# EAGLE board Mk4 Final Panel 8up 2x4 (EAGLE 9.0.1), part 17 of 23 (continued)
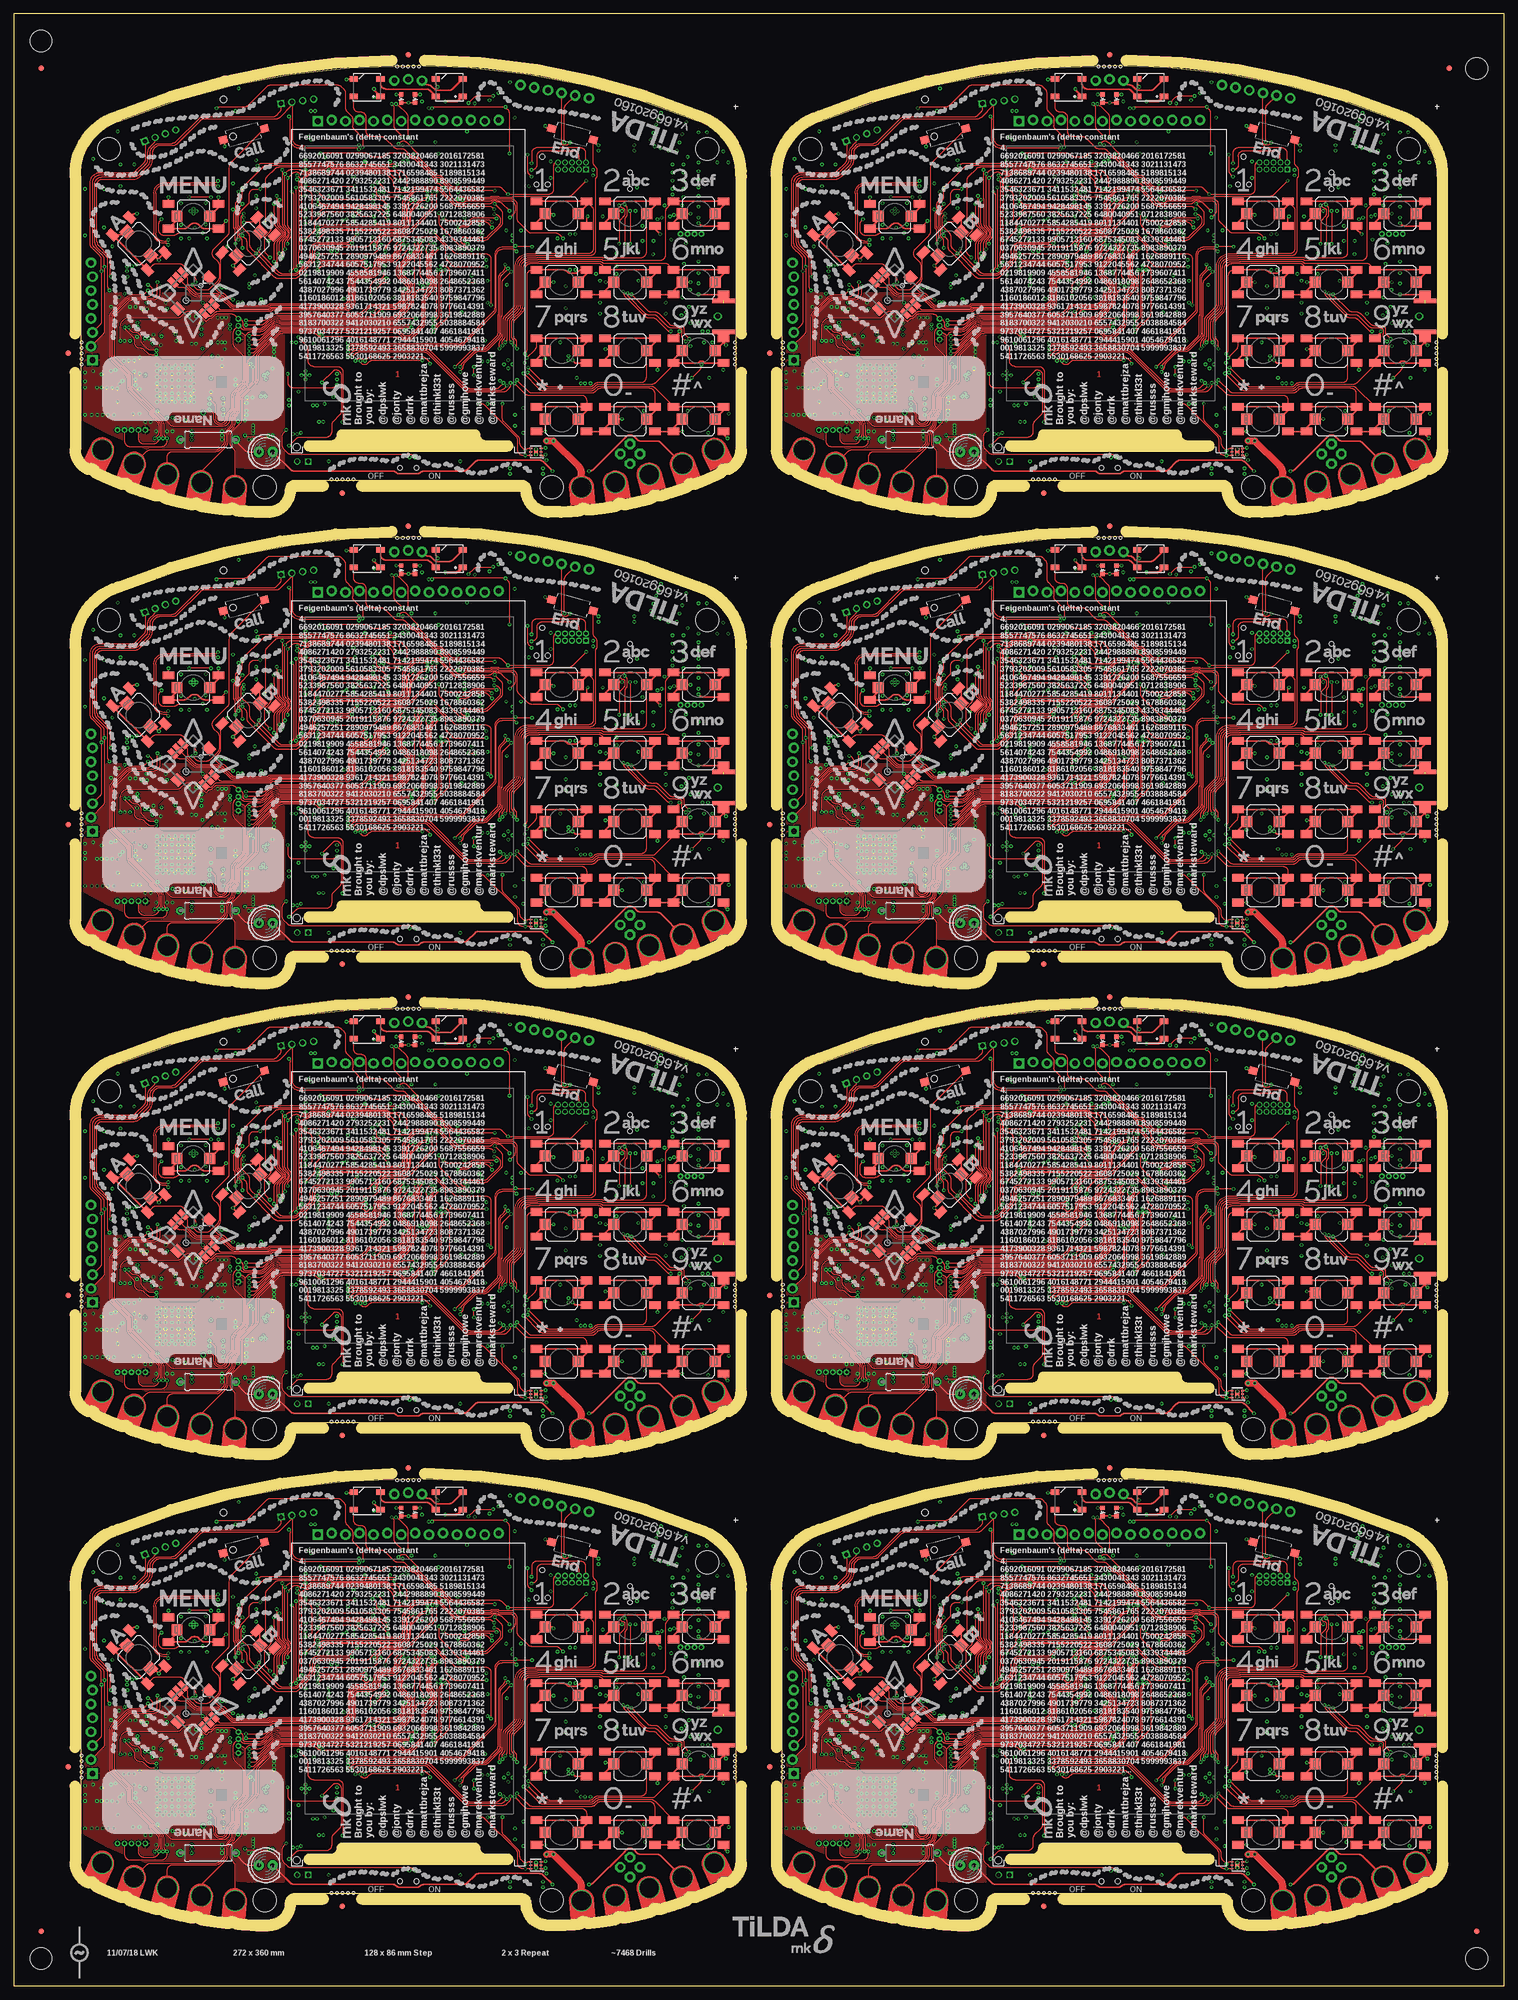
[diagram p0: board, top side]
## Tracks (layer width: path | path; a pad name or v marks a point on that pad's centre or on a via) (continued)
  Bottom 0.15: IC127.48 170.55,328.3 170.5,328.25 v169.75,328.25 | IC127.36 170.55,318.7 170.5,318.75 v169,318.75 | v197.47,331.97 197.8,331.64 IC128.75
SDRAM_A103  (via drill 0.3)
  Top 0.15: v169,327.5 169,326.41 arc-45 168.71,325.71 arc45 168.5,325.21 168.5,324.49 168.53,324.47 168.53,324.1 arc-45 168.47,323.98 168.47,323.97 168.35,323.84 arc45 168.2,323.49 168.2,320.91 arc45 168.27,320.73 168.4,320.6 arc-45 168.47,320.42 168.47,318.53 168.5,318.51 v168.5,318 | v181.25,318.75 182.68,320.18 arc45 182.97,320.89 182.97,321.71 arc-45 183.27,322.42 184.46,323.61 arc-45 185.16,323.9 189.94,323.9 arc-45 190.64,323.61 190.96,323.29 arc45 191.66,323 v193.75,323
  Bottom 0.15: IC127.47 v169,327.5 | v168.5,318 170.42,318 arc-45 170.56,317.94 170.6,317.9 IC127.35 176.49,317.9 arc45 177.19,318.19 177.46,318.46 arc-45 178.16,318.75 v181.25,318.75 | IC128.49 193.27,323.2 arc-45 v193.75,323
SDRAM_BA0  (via drill 0.3)
  Top 0.15: v50,60 50,60.38 arc-45 50.15,60.73 50.29,60.88 arc90 50.29,62.87 arc-45 50,63.57 v50,72 50.73,72.73 arc-45 51.44,73.03 51.76,73.03 arc-45 52.11,72.88 52.17,72.82 arc45 52.52,72.67 53.39,72.67 arc45 53.74,72.82 53.92,73.01 arc-45 54.63,73.3 56.96,73.3 57.15,73.11 arc90 57.85,73.11 58.02,73.28 67.69,73.28 arc-45 68.05,73.13 68.25,72.93 arc45 68.45,72.84 arc-45 68.8,72.7 v70,71.5
  Bottom 0.15: IC2.50 49.9,71.9 v50,72 | IC2.20 53.91,59.9 arc-45 53.81,59.94 arc45 53.67,60 v50,60 | v70,71.5 arc45 70.2,71.98 IC1.76
SDRAM_BA1  (via drill 0.3)
  Top 0.15: v49.5,59 49.48,59.02 49.48,60.07 arc-45 49.77,60.78 49.98,60.99 arc90 49.98,62.76 49.77,62.97 arc-45 49.48,63.67 49.48,72.72 v49.5,72.75 49.96,73.21 arc-45 50.66,73.5 52.09,73.5 arc-45 52.8,73.21 52.88,73.13 arc90 53.62,73.13 53.8,73.31 arc-45 54.51,73.6 56.86,73.6 57.15,73.89 arc-90 57.85,73.89 58.17,73.58 67.82,73.58 arc-45 68.17,73.43 68.31,73.29 arc45 68.66,73.15 69.5,73.15 arc-90 70.5,72.15 70.5,72.1 arc45 v70.75,71.5
  Bottom 0.15: v49.5,59 54.28,59 IC2.21 | v49.5,72.75 49.45,72.7 IC2.51 | v70.75,71.5 arc-45 70.6,71.86 IC1.77
SDRAM_BA2  (via drill 0.3)
  Top 0.15: v177.5,59 177.47,59.02 177.47,60.07 arc-45 177.77,60.78 177.98,60.99 arc90 177.98,62.76 177.77,62.97 arc-45 177.47,63.67 177.47,72.72 v177.5,72.75 177.96,73.21 arc-45 178.66,73.5 180.09,73.5 arc-45 180.8,73.21 180.88,73.13 arc90 181.62,73.13 181.8,73.31 arc-45 182.51,73.6 184.86,73.6 185.15,73.89 arc-90 185.85,73.89 186.17,73.58 195.82,73.58 arc-45 196.17,73.43 196.31,73.29 arc45 196.66,73.15 197.5,73.15 arc-90 198.5,72.15 198.5,72.1 arc45 v198.75,71.5
  Bottom 0.15: v177.5,59 182.28,59 IC19.21 | v177.5,72.75 177.45,72.7 IC19.51 | v198.75,71.5 arc-45 198.6,71.86 IC20.77
SDRAM_BA3  (via drill 0.3)
  Top 0.15: v178,60 178,60.38 arc-45 178.15,60.73 178.29,60.88 arc90 178.29,62.87 arc-45 178,63.57 v178,72 178.73,72.73 arc-45 179.44,73.03 179.76,73.03 arc-45 180.11,72.88 180.17,72.82 arc45 180.53,72.67 181.38,72.67 arc45 181.74,72.82 181.92,73.01 arc-45 182.63,73.3 184.96,73.3 185.15,73.11 arc90 185.85,73.11 186.02,73.28 195.69,73.28 arc-45 196.05,73.13 196.25,72.93 arc45 196.45,72.84 arc-45 196.8,72.7 v198,71.5
  Bottom 0.15: IC19.50 177.9,71.9 v178,72 | IC19.20 181.91,59.9 arc-45 181.81,59.94 arc45 181.67,60 v178,60 | v198,71.5 arc45 198.2,71.98 IC20.76
SDRAM_BA4  (via drill 0.3)
  Top 0.15: v49.5,145 49.48,145.03 49.48,146.07 arc-45 49.77,146.78 49.98,146.99 arc90 49.98,148.76 49.77,148.97 arc-45 49.48,149.67 49.48,158.72 v49.5,158.75 49.96,159.21 arc-45 50.66,159.5 52.09,159.5 arc-45 52.8,159.21 52.88,159.13 arc90 53.62,159.13 53.8,159.31 arc-45 54.51,159.6 56.86,159.6 57.15,159.89 arc-90 57.85,159.89 58.17,159.57 67.82,159.57 arc-45 68.17,159.43 68.31,159.29 arc45 68.66,159.15 69.5,159.15 arc-90 70.5,158.15 70.5,158.1 arc45 v70.75,157.5
  Bottom 0.15: v49.5,145 54.28,145 IC37.21 | v49.5,158.75 49.45,158.7 IC37.51 | v70.75,157.5 arc-45 70.6,157.86 IC38.77
SDRAM_BA5  (via drill 0.3)
  Top 0.15: v50,146 50,146.38 arc-45 50.15,146.74 50.29,146.88 arc90 50.29,148.87 arc-45 50,149.57 v50,158 50.73,158.73 arc-45 51.44,159.03 51.76,159.03 arc-45 52.11,158.88 52.17,158.82 arc45 52.52,158.68 53.39,158.68 arc45 53.74,158.82 53.92,159.01 arc-45 54.63,159.3 56.96,159.3 57.15,159.11 arc90 57.85,159.11 58.02,159.28 67.69,159.28 arc-45 68.05,159.13 68.25,158.93 arc45 68.45,158.84 arc-45 68.8,158.7 v70,157.5
  Bottom 0.15: IC37.50 49.9,157.9 v50,158 | IC37.20 53.91,145.9 arc-45 53.81,145.94 arc45 53.67,146 v50,146 | v70,157.5 arc45 70.2,157.98 IC38.76
SDRAM_BA6  (via drill 0.3)
  Top 0.15: v177.5,145 177.47,145.03 177.47,146.07 arc-45 177.77,146.78 177.98,146.99 arc90 177.98,148.76 177.77,148.97 arc-45 177.47,149.67 177.47,158.72 v177.5,158.75 177.96,159.21 arc-45 178.66,159.5 180.09,159.5 arc-45 180.8,159.21 180.88,159.13 arc90 181.62,159.13 181.8,159.31 arc-45 182.51,159.6 184.86,159.6 185.15,159.89 arc-90 185.85,159.89 186.17,159.57 195.82,159.57 arc-45 196.17,159.43 196.31,159.29 arc45 196.66,159.15 197.5,159.15 arc-90 198.5,158.15 198.5,158.1 arc45 v198.75,157.5
  Bottom 0.15: v177.5,145 182.28,145 IC55.21 | v177.5,158.75 177.45,158.7 IC55.51 | v198.75,157.5 arc-45 198.6,157.86 IC56.77
SDRAM_BA7  (via drill 0.3)
  Top 0.15: v178,146 178,146.38 arc-45 178.15,146.74 178.29,146.88 arc90 178.29,148.87 arc-45 178,149.57 v178,158 178.73,158.73 arc-45 179.44,159.03 179.76,159.03 arc-45 180.11,158.88 180.17,158.82 arc45 180.53,158.68 181.38,158.68 arc45 181.74,158.82 181.92,159.01 arc-45 182.63,159.3 184.96,159.3 185.15,159.11 arc90 185.85,159.11 186.02,159.28 195.69,159.28 arc-45 196.05,159.13 196.25,158.93 arc45 196.45,158.84 arc-45 196.8,158.7 v198,157.5
  Bottom 0.15: IC55.50 177.9,157.9 v178,158 | IC55.20 181.91,145.9 arc-45 181.81,145.94 arc45 181.67,146 v178,146 | v198,157.5 arc45 198.2,157.98 IC56.76
SDRAM_BA8  (via drill 0.3)
  Top 0.15: v49.5,231 49.48,231.03 49.48,232.07 arc-45 49.77,232.78 49.98,232.99 arc90 49.98,234.76 49.77,234.97 arc-45 49.48,235.67 49.48,244.72 v49.5,244.75 49.96,245.21 arc-45 50.66,245.5 52.09,245.5 arc-45 52.8,245.21 52.88,245.13 arc90 53.62,245.13 53.8,245.31 arc-45 54.51,245.6 56.86,245.6 57.15,245.89 arc-90 57.85,245.89 58.17,245.57 67.82,245.57 arc-45 68.17,245.43 68.31,245.29 arc45 68.66,245.15 69.5,245.15 arc-90 70.5,244.15 70.5,244.1 arc45 v70.75,243.5
  Bottom 0.15: v49.5,231 54.28,231 IC73.21 | v49.5,244.75 49.45,244.7 IC73.51 | v70.75,243.5 arc-45 70.6,243.86 IC74.77
SDRAM_BA9  (via drill 0.3)
  Top 0.15: v50,232 50,232.38 arc-45 50.15,232.74 50.29,232.88 arc90 50.29,234.87 arc-45 50,235.57 v50,244 50.73,244.73 arc-45 51.44,245.03 51.76,245.03 arc-45 52.11,244.88 52.17,244.82 arc45 52.52,244.68 53.39,244.68 arc45 53.74,244.82 53.92,245.01 arc-45 54.63,245.3 56.96,245.3 57.15,245.11 arc90 57.85,245.11 58.02,245.28 67.69,245.28 arc-45 68.05,245.13 68.25,244.93 arc45 68.45,244.84 arc-45 68.8,244.7 v70,243.5
  Bottom 0.15: IC73.50 49.9,243.9 v50,244 | IC73.20 53.91,231.9 arc-45 53.81,231.94 arc45 53.67,232 v50,232 | v70,243.5 arc45 70.2,243.98 IC74.76
SDRAM_BA10  (via drill 0.3)
  Top 0.15: v177.5,231 177.47,231.03 177.47,232.07 arc-45 177.77,232.78 177.98,232.99 arc90 177.98,234.76 177.77,234.97 arc-45 177.47,235.67 177.47,244.72 v177.5,244.75 177.96,245.21 arc-45 178.66,245.5 180.09,245.5 arc-45 180.8,245.21 180.88,245.13 arc90 181.62,245.13 181.8,245.31 arc-45 182.51,245.6 184.86,245.6 185.15,245.89 arc-90 185.85,245.89 186.17,245.57 195.82,245.57 arc-45 196.17,245.43 196.31,245.29 arc45 196.66,245.15 197.5,245.15 arc-90 198.5,244.15 198.5,244.1 arc45 v198.75,243.5
  Bottom 0.15: v177.5,231 182.28,231 IC91.21 | v177.5,244.75 177.45,244.7 IC91.51 | v198.75,243.5 arc-45 198.6,243.86 IC92.77
SDRAM_BA11  (via drill 0.3)
  Top 0.15: v178,232 178,232.38 arc-45 178.15,232.74 178.29,232.88 arc90 178.29,234.87 arc-45 178,235.57 v178,244 178.73,244.73 arc-45 179.44,245.03 179.76,245.03 arc-45 180.11,244.88 180.17,244.82 arc45 180.53,244.68 181.38,244.68 arc45 181.74,244.82 181.92,245.01 arc-45 182.63,245.3 184.96,245.3 185.15,245.11 arc90 185.85,245.11 186.02,245.28 195.69,245.28 arc-45 196.05,245.13 196.25,244.93 arc45 196.45,244.84 arc-45 196.8,244.7 v198,243.5
  Bottom 0.15: IC91.50 177.9,243.9 v178,244 | IC91.20 181.91,231.9 arc-45 181.81,231.94 arc45 181.67,232 v178,232 | v198,243.5 arc45 198.2,243.98 IC92.76
SDRAM_BA12  (via drill 0.3)
  Top 0.15: v49.5,317 49.48,317.02 49.48,318.07 arc-45 49.77,318.78 49.98,318.99 arc90 49.98,320.76 49.77,320.97 arc-45 49.48,321.67 49.48,330.73 v49.5,330.75 49.96,331.21 arc-45 50.66,331.5 52.09,331.5 arc-45 52.8,331.21 52.88,331.13 arc90 53.62,331.13 53.8,331.31 arc-45 54.51,331.6 56.86,331.6 57.15,331.89 arc-90 57.85,331.89 58.17,331.57 67.82,331.57 arc-45 68.17,331.43 68.31,331.29 arc45 68.66,331.14 69.5,331.14 arc-90 70.5,330.14 70.5,330.1 arc45 v70.75,329.5
  Bottom 0.15: v49.5,317 54.28,317 IC109.21 | v49.5,330.75 49.45,330.7 IC109.51 | v70.75,329.5 arc-45 70.6,329.86 IC110.77
SDRAM_BA13  (via drill 0.3)
  Top 0.15: v50,318 50,318.38 arc-45 50.15,318.74 50.29,318.88 arc90 50.29,320.87 arc-45 50,321.57 v50,330 50.73,330.73 arc-45 51.44,331.02 51.76,331.02 arc-45 52.11,330.88 52.17,330.82 arc45 52.52,330.68 53.39,330.68 arc45 53.74,330.82 53.92,331.01 arc-45 54.63,331.3 56.96,331.3 57.15,331.11 arc90 57.85,331.11 58.02,331.27 67.69,331.27 arc-45 68.05,331.13 68.25,330.93 arc45 68.45,330.85 arc-45 68.8,330.7 v70,329.5
  Bottom 0.15: IC109.50 49.9,329.9 v50,330 | IC109.20 53.91,317.9 arc-45 53.81,317.94 arc45 53.67,318 v50,318 | v70,329.5 arc45 70.2,329.98 IC110.76
SDRAM_BA14  (via drill 0.3)
  Top 0.15: v177.5,317 177.47,317.02 177.47,318.07 arc-45 177.77,318.78 177.98,318.99 arc90 177.98,320.76 177.77,320.97 arc-45 177.47,321.67 177.47,330.73 v177.5,330.75 177.96,331.21 arc-45 178.66,331.5 180.09,331.5 arc-45 180.8,331.21 180.88,331.13 arc90 181.62,331.13 181.8,331.31 arc-45 182.51,331.6 184.86,331.6 185.15,331.89 arc-90 185.85,331.89 186.17,331.57 195.82,331.57 arc-45 196.17,331.43 196.31,331.29 arc45 196.66,331.14 197.5,331.14 arc-90 198.5,330.14 198.5,330.1 arc45 v198.75,329.5
  Bottom 0.15: v177.5,317 182.28,317 IC127.21 | v177.5,330.75 177.45,330.7 IC127.51 | v198.75,329.5 arc-45 198.6,329.86 IC128.77
SDRAM_BA15  (via drill 0.3)
  Top 0.15: v178,318 178,318.38 arc-45 178.15,318.74 178.29,318.88 arc90 178.29,320.87 arc-45 178,321.57 v178,330 178.73,330.73 arc-45 179.44,331.02 179.76,331.02 arc-45 180.11,330.88 180.17,330.82 arc45 180.53,330.68 181.38,330.68 arc45 181.74,330.82 181.92,331.01 arc-45 182.63,331.3 184.96,331.3 185.15,331.11 arc90 185.85,331.11 186.02,331.27 195.69,331.27 arc-45 196.05,331.13 196.25,330.93 arc45 196.45,330.85 arc-45 196.8,330.7 v198,329.5
  Bottom 0.15: IC127.50 177.9,329.9 v178,330 | IC127.20 181.91,317.9 arc-45 181.81,317.94 arc45 181.67,318 v178,318 | v198,329.5 arc45 198.2,329.98 IC128.76
SDRAM_CKE  (via drill 0.3)
  Top 0.15: v41.75,61.5 42.21,61.04 arc-45 42.5,60.34 42.5,59.41 arc45 42.79,58.71 47.48,54.02 arc45 48.19,53.73 51.29,53.73 arc45 51.99,54.02 54.68,56.71 arc45 54.98,57.41 54.98,58.5 arc-90 55.98,59.5 64.29,59.5 arc45 65,59.79 66.87,61.66 arc-45 67.93,62.1 70.25,62.1 arc90 72.5,64.35 72.5,65.49 arc-45 72.79,66.19 74.31,67.71 arc-45 75.01,68 v75.5,68
  Bottom 0.15: IC1.104 78.73,68.4 arc45 78.59,68.34 78.53,68.28 arc-45 78.39,68.22 75.75,68.22 75.53,68 v75.5,68 | v41.75,61.5 IC2.37
SDRAM_CKE1  (via drill 0.3)
  Top 0.15: v169.75,61.5 170.21,61.04 arc-45 170.5,60.34 170.5,59.41 arc45 170.79,58.71 175.48,54.02 arc45 176.19,53.73 179.29,53.73 arc45 179.99,54.02 182.68,56.71 arc45 182.97,57.41 182.97,58.5 arc-90 183.97,59.5 192.29,59.5 arc45 193,59.79 194.87,61.66 arc-45 195.93,62.1 198.25,62.1 arc90 200.5,64.35 200.5,65.49 arc-45 200.79,66.19 202.31,67.71 arc-45 203.01,68 v203.5,68
  Bottom 0.15: IC20.104 206.73,68.4 arc45 206.59,68.34 206.53,68.28 arc-45 206.39,68.22 203.75,68.22 203.53,68 v203.5,68 | v169.75,61.5 IC19.37
SDRAM_CKE2  (via drill 0.3)
  Top 0.15: v41.75,147.5 42.21,147.04 arc-45 42.5,146.34 42.5,145.41 arc45 42.79,144.71 47.48,140.02 arc45 48.19,139.72 51.29,139.72 arc45 51.99,140.02 54.68,142.71 arc45 54.98,143.41 54.98,144.5 arc-90 55.98,145.5 64.29,145.5 arc45 65,145.79 66.87,147.66 arc-45 67.93,148.1 70.25,148.1 arc90 72.5,150.35 72.5,151.49 arc-45 72.79,152.19 74.31,153.71 arc-45 75.01,154 v75.5,154
  Bottom 0.15: IC38.104 78.73,154.4 arc45 78.59,154.34 78.53,154.28 arc-45 78.39,154.22 75.75,154.22 75.53,154 v75.5,154 | v41.75,147.5 IC37.37
SDRAM_CKE3  (via drill 0.3)
  Top 0.15: v169.75,147.5 170.21,147.04 arc-45 170.5,146.34 170.5,145.41 arc45 170.79,144.71 175.48,140.02 arc45 176.19,139.72 179.29,139.72 arc45 179.99,140.02 182.68,142.71 arc45 182.97,143.41 182.97,144.5 arc-90 183.97,145.5 192.29,145.5 arc45 193,145.79 194.87,147.66 arc-45 195.93,148.1 198.25,148.1 arc90 200.5,150.35 200.5,151.49 arc-45 200.79,152.19 202.31,153.71 arc-45 203.01,154 v203.5,154
  Bottom 0.15: IC56.104 206.73,154.4 arc45 206.59,154.34 206.53,154.28 arc-45 206.39,154.22 203.75,154.22 203.53,154 v203.5,154 | v169.75,147.5 IC55.37
SDRAM_CKE4  (via drill 0.3)
  Top 0.15: v41.75,233.5 42.21,233.04 arc-45 42.5,232.34 42.5,231.41 arc45 42.79,230.71 47.48,226.02 arc45 48.19,225.72 51.29,225.72 arc45 51.99,226.02 54.68,228.71 arc45 54.98,229.41 54.98,230.5 arc-90 55.98,231.5 64.29,231.5 arc45 65,231.79 66.87,233.66 arc-45 67.93,234.1 70.25,234.1 arc90 72.5,236.35 72.5,237.49 arc-45 72.79,238.19 74.31,239.71 arc-45 75.01,240 v75.5,240
  Bottom 0.15: IC74.104 78.73,240.4 arc45 78.59,240.34 78.53,240.28 arc-45 78.39,240.22 75.75,240.22 75.53,240 v75.5,240 | v41.75,233.5 IC73.37
SDRAM_CKE5  (via drill 0.3)
  Top 0.15: v169.75,233.5 170.21,233.04 arc-45 170.5,232.34 170.5,231.41 arc45 170.79,230.71 175.48,226.02 arc45 176.19,225.72 179.29,225.72 arc45 179.99,226.02 182.68,228.71 arc45 182.97,229.41 182.97,230.5 arc-90 183.97,231.5 192.29,231.5 arc45 193,231.79 194.87,233.66 arc-45 195.93,234.1 198.25,234.1 arc90 200.5,236.35 200.5,237.49 arc-45 200.79,238.19 202.31,239.71 arc-45 203.01,240 v203.5,240
  Bottom 0.15: IC92.104 206.73,240.4 arc45 206.59,240.34 206.53,240.28 arc-45 206.39,240.22 203.75,240.22 203.53,240 v203.5,240 | v169.75,233.5 IC91.37
SDRAM_CKE6  (via drill 0.3)
  Top 0.15: v41.75,319.5 42.21,319.04 arc-45 42.5,318.34 42.5,317.41 arc45 42.79,316.71 47.48,312.02 arc45 48.19,311.73 51.29,311.73 arc45 51.99,312.02 54.68,314.71 arc45 54.98,315.41 54.98,316.5 arc-90 55.98,317.5 64.29,317.5 arc45 65,317.79 66.87,319.66 arc-45 67.93,320.1 70.25,320.1 arc90 72.5,322.35 72.5,323.49 arc-45 72.79,324.19 74.31,325.71 arc-45 75.01,326 v75.5,326
  Bottom 0.15: IC110.104 78.73,326.4 arc45 78.59,326.34 78.53,326.28 arc-45 78.39,326.23 75.75,326.23 75.53,326 v75.5,326 | v41.75,319.5 IC109.37
SDRAM_CKE7  (via drill 0.3)
  Top 0.15: v169.75,319.5 170.21,319.04 arc-45 170.5,318.34 170.5,317.41 arc45 170.79,316.71 175.48,312.02 arc45 176.19,311.73 179.29,311.73 arc45 179.99,312.02 182.68,314.71 arc45 182.97,315.41 182.97,316.5 arc-90 183.97,317.5 192.29,317.5 arc45 193,317.79 194.87,319.66 arc-45 195.93,320.1 198.25,320.1 arc90 200.5,322.35 200.5,323.49 arc-45 200.79,324.19 202.31,325.71 arc-45 203.01,326 v203.5,326
  Bottom 0.15: IC128.104 206.73,326.4 arc45 206.59,326.34 206.53,326.28 arc-45 206.39,326.23 203.75,326.23 203.53,326 v203.5,326 | v169.75,319.5 IC127.37
SDRAM_CLK  (via drill 0.3)
  Top 0.15: v45,70 44,70 arc90 43,69 43,67.5 41.52,66.02 arc45 41.48,65.91 arc-45 41.33,65.55 41.25,65.47 arc45 41.1,65.12 41.1,63.28 arc45 41.17,63.1 41.4,62.87 arc-45 41.48,62.7 41.48,62.52 v41.7,62.3 | v53.23,70.5 v62.25,70.5
  Bottom 0.15: v53.23,70.5 52.17,70.5 arc-45 51.86,70.63 arc45 51.51,70.78 46.19,70.78 arc45 45.48,70.48 v45,70 | IC1.62 62.35,70.4 v62.25,70.5 | IC2.38 v41.7,62.3
SDRAM_CLK1  (via drill 0.3)
  Top 0.15: v173,70 172,70 arc90 171,69 171,67.5 169.52,66.02 arc45 169.47,65.91 arc-45 169.33,65.55 169.25,65.47 arc45 169.1,65.12 169.1,63.28 arc45 169.17,63.1 169.4,62.87 arc-45 169.47,62.7 169.47,62.52 v169.7,62.3 | v181.23,70.5 v190.25,70.5
  Bottom 0.15: v181.23,70.5 180.17,70.5 arc-45 179.86,70.63 arc45 179.51,70.78 174.19,70.78 arc45 173.48,70.48 v173,70 | IC20.62 190.35,70.4 v190.25,70.5 | IC19.38 v169.7,62.3
SDRAM_CLK2  (via drill 0.3)
  Top 0.15: v45,156 44,156 arc90 43,155 43,153.5 41.52,152.02 arc45 41.48,151.91 arc-45 41.33,151.55 41.25,151.47 arc45 41.1,151.12 41.1,149.28 arc45 41.17,149.1 41.4,148.87 arc-45 41.48,148.7 41.48,148.53 v41.7,148.3 | v53.23,156.5 v62.25,156.5
  Bottom 0.15: v53.23,156.5 52.17,156.5 arc-45 51.86,156.63 arc45 51.51,156.78 46.19,156.78 arc45 45.48,156.48 v45,156 | IC38.62 62.35,156.4 v62.25,156.5 | IC37.38 v41.7,148.3
SDRAM_CLK3  (via drill 0.3)
  Top 0.15: v173,156 172,156 arc90 171,155 171,153.5 169.52,152.02 arc45 169.47,151.91 arc-45 169.33,151.55 169.25,151.47 arc45 169.1,151.12 169.1,149.28 arc45 169.17,149.1 169.4,148.87 arc-45 169.47,148.7 169.47,148.53 v169.7,148.3 | v181.23,156.5 v190.25,156.5
  Bottom 0.15: v181.23,156.5 180.17,156.5 arc-45 179.86,156.63 arc45 179.51,156.78 174.19,156.78 arc45 173.48,156.48 v173,156 | IC56.62 190.35,156.4 v190.25,156.5 | IC55.38 v169.7,148.3
SDRAM_CLK4  (via drill 0.3)
  Top 0.15: v45,242 44,242 arc90 43,241 43,239.5 41.52,238.02 arc45 41.48,237.91 arc-45 41.33,237.55 41.25,237.47 arc45 41.1,237.12 41.1,235.28 arc45 41.17,235.1 41.4,234.87 arc-45 41.48,234.7 41.48,234.53 v41.7,234.3 | v53.23,242.5 v62.25,242.5
  Bottom 0.15: v53.23,242.5 52.17,242.5 arc-45 51.86,242.63 arc45 51.51,242.78 46.19,242.78 arc45 45.48,242.48 v45,242 | IC74.62 62.35,242.4 v62.25,242.5 | IC73.38 v41.7,234.3
SDRAM_CLK5  (via drill 0.3)
  Top 0.15: v173,242 172,242 arc90 171,241 171,239.5 169.52,238.02 arc45 169.47,237.91 arc-45 169.33,237.55 169.25,237.47 arc45 169.1,237.12 169.1,235.28 arc45 169.17,235.1 169.4,234.87 arc-45 169.47,234.7 169.47,234.53 v169.7,234.3 | v181.23,242.5 v190.25,242.5
  Bottom 0.15: v181.23,242.5 180.17,242.5 arc-45 179.86,242.63 arc45 179.51,242.78 174.19,242.78 arc45 173.48,242.48 v173,242 | IC92.62 190.35,242.4 v190.25,242.5 | IC91.38 v169.7,234.3
SDRAM_CLK6  (via drill 0.3)
  Top 0.15: v45,328 44,328 arc90 43,327 43,325.5 41.52,324.02 arc45 41.48,323.91 arc-45 41.33,323.55 41.25,323.47 arc45 41.1,323.12 41.1,321.28 arc45 41.17,321.1 41.4,320.87 arc-45 41.48,320.7 41.48,320.52 v41.7,320.3 | v53.23,328.5 v62.25,328.5
  Bottom 0.15: v53.23,328.5 52.17,328.5 arc-45 51.86,328.63 arc45 51.51,328.77 46.19,328.77 arc45 45.48,328.48 v45,328 | IC110.62 62.35,328.4 v62.25,328.5 | IC109.38 v41.7,320.3
SDRAM_CLK7  (via drill 0.3)
  Top 0.15: v173,328 172,328 arc90 171,327 171,325.5 169.52,324.02 arc45 169.47,323.91 arc-45 169.33,323.55 169.25,323.47 arc45 169.1,323.12 169.1,321.28 arc45 169.17,321.1 169.4,320.87 arc-45 169.47,320.7 169.47,320.52 v169.7,320.3 | v181.23,328.5 v190.25,328.5
  Bottom 0.15: v181.23,328.5 180.17,328.5 arc-45 179.86,328.63 arc45 179.51,328.77 174.19,328.77 arc45 173.48,328.48 v173,328 | IC128.62 190.35,328.4 v190.25,328.5 | IC127.38 v169.7,320.3
SDRAM_D1  (via drill 0.3)
  Top 0.15: v198,74.5 196.94,74.5 arc-45 196.88,74.47 186.54,74.47 186.38,74.63 arc90 184.62,74.63 184.61,74.62 173.29,74.62 arc45 172.58,74.33 v172.5,74.25
  Bottom 0.15: IC19.53 172.45,74.3 v172.5,74.25 | IC20.78 199,73.53 arc90 198.8,73.72 198.68,73.72 arc-90 198.47,73.92 198.47,73.94 arc45 198.42,74.08 v198,74.5
SDRAM_D2  (via drill 0.3)
  Top 0.15: v70,160.5 68.94,160.5 arc-45 68.88,160.47 58.54,160.47 58.38,160.63 arc90 56.62,160.63 56.61,160.62 45.29,160.62 arc45 44.58,160.33 v44.5,160.25
  Bottom 0.15: IC37.53 44.45,160.3 v44.5,160.25 | IC38.78 71,159.53 arc90 70.8,159.72 70.67,159.72 arc-90 70.47,159.93 70.47,159.94 arc45 70.42,160.08 v70,160.5
SDRAM_D3  (via drill 0.3)
  Top 0.15: v198,160.5 196.94,160.5 arc-45 196.88,160.47 186.54,160.47 186.38,160.63 arc90 184.62,160.63 184.61,160.62 173.29,160.62 arc45 172.58,160.33 v172.5,160.25
  Bottom 0.15: IC55.53 172.45,160.3 v172.5,160.25 | IC56.78 199,159.53 arc90 198.8,159.72 198.68,159.72 arc-90 198.47,159.93 198.47,159.94 arc45 198.42,160.08 v198,160.5
SDRAM_D4  (via drill 0.3)
  Top 0.15: v70,246.5 68.94,246.5 arc-45 68.88,246.47 58.54,246.47 58.38,246.63 arc90 56.62,246.63 56.61,246.62 45.29,246.62 arc45 44.58,246.33 v44.5,246.25
  Bottom 0.15: IC73.53 44.45,246.3 v44.5,246.25 | IC74.78 71,245.53 arc90 70.8,245.72 70.67,245.72 arc-90 70.47,245.93 70.47,245.94 arc45 70.42,246.08 v70,246.5
SDRAM_D5  (via drill 0.3)
  Top 0.15: v198,246.5 196.94,246.5 arc-45 196.88,246.47 186.54,246.47 186.38,246.63 arc90 184.62,246.63 184.61,246.62 173.29,246.62 arc45 172.58,246.33 v172.5,246.25
  Bottom 0.15: IC91.53 172.45,246.3 v172.5,246.25 | IC92.78 199,245.53 arc90 198.8,245.72 198.68,245.72 arc-90 198.47,245.93 198.47,245.94 arc45 198.42,246.08 v198,246.5
SDRAM_D6  (via drill 0.3)
  Top 0.15: v70,332.5 68.94,332.5 arc-45 68.88,332.48 58.54,332.48 58.38,332.63 arc90 56.62,332.63 56.61,332.62 45.29,332.62 arc45 44.58,332.33 v44.5,332.25
  Bottom 0.15: IC109.53 44.45,332.3 v44.5,332.25 | IC110.78 71,331.52 arc90 70.8,331.73 70.67,331.73 arc-90 70.47,331.93 70.47,331.94 arc45 70.42,332.08 v70,332.5
SDRAM_D7  (via drill 0.3)
  Top 0.15: v198,332.5 196.94,332.5 arc-45 196.88,332.48 186.54,332.48 186.38,332.63 arc90 184.62,332.63 184.61,332.62 173.29,332.62 arc45 172.58,332.33 v172.5,332.25
  Bottom 0.15: IC127.53 172.45,332.3 v172.5,332.25 | IC128.78 199,331.52 arc90 198.8,331.73 198.68,331.73 arc-90 198.47,331.93 198.47,331.94 arc45 198.42,332.08 v198,332.5
SDRAM_D15  (via drill 0.3)
  Top 0.15: v70,74.5 68.94,74.5 arc-45 68.88,74.47 58.54,74.47 58.38,74.63 arc90 56.62,74.63 56.61,74.62 45.29,74.62 arc45 44.58,74.33 v44.5,74.25
  Bottom 0.15: IC2.53 44.45,74.3 v44.5,74.25 | IC1.78 71,73.53 arc90 70.8,73.72 70.67,73.72 arc-90 70.47,73.92 70.47,73.94 arc45 70.42,74.08 v70,74.5
SDRAM_DQMH  (via drill 0.3)
  Top 0.15: v45.75,63.75 arc45 46,64.35 46,71.59 arc-45 46.29,72.29 47.73,73.73 arc-45 48.44,74.03 56.86,74.03 56.97,74.14 arc-90 58.03,74.14 58.29,73.88 67.94,73.88 arc-45 68.29,73.73 68.43,73.59 arc45 68.78,73.44 70.14,73.44 arc-45 70.85,73.15 71.46,72.54 arc-45 71.75,71.84 v71.75,70
  Bottom 0.15: IC2.39 43.19,63.1 arc45 43.89,63.39 43.96,63.46 arc-45 44.66,63.75 v45.75,63.75 | IC1.82 72.6,71.26 arc-45 72.31,70.56 v71.75,70
SDRAM_DQMH1  (via drill 0.3)
  Top 0.15: v173.75,63.75 arc45 174,64.35 174,71.59 arc-45 174.29,72.29 175.73,73.73 arc-45 176.44,74.03 184.86,74.03 184.97,74.14 arc-90 186.03,74.14 186.29,73.88 195.94,73.88 arc-45 196.29,73.73 196.43,73.59 arc45 196.78,73.44 198.14,73.44 arc-45 198.85,73.15 199.46,72.54 arc-45 199.75,71.84 v199.75,70
  Bottom 0.15: IC19.39 171.19,63.1 arc45 171.89,63.39 171.96,63.46 arc-45 172.66,63.75 v173.75,63.75 | IC20.82 200.6,71.26 arc-45 200.31,70.56 v199.75,70
SDRAM_DQMH2  (via drill 0.3)
  Top 0.15: v45.75,149.75 arc45 46,150.35 46,157.59 arc-45 46.29,158.29 47.73,159.73 arc-45 48.44,160.03 56.86,160.03 56.97,160.14 arc-90 58.03,160.14 58.29,159.88 67.94,159.88 arc-45 68.29,159.73 68.43,159.59 arc45 68.78,159.44 70.14,159.44 arc-45 70.85,159.15 71.46,158.54 arc-45 71.75,157.84 v71.75,156
  Bottom 0.15: IC37.39 43.19,149.1 arc45 43.89,149.39 43.96,149.46 arc-45 44.66,149.75 v45.75,149.75 | IC38.82 72.6,157.26 arc-45 72.31,156.56 v71.75,156
SDRAM_DQMH3  (via drill 0.3)
  Top 0.15: v173.75,149.75 arc45 174,150.35 174,157.59 arc-45 174.29,158.29 175.73,159.73 arc-45 176.44,160.03 184.86,160.03 184.97,160.14 arc-90 186.03,160.14 186.29,159.88 195.94,159.88 arc-45 196.29,159.73 196.43,159.59 arc45 196.78,159.44 198.14,159.44 arc-45 198.85,159.15 199.46,158.54 arc-45 199.75,157.84 v199.75,156
  Bottom 0.15: IC55.39 171.19,149.1 arc45 171.89,149.39 171.96,149.46 arc-45 172.66,149.75 v173.75,149.75 | IC56.82 200.6,157.26 arc-45 200.31,156.56 v199.75,156
SDRAM_DQMH4  (via drill 0.3)
  Top 0.15: v45.75,235.75 arc45 46,236.35 46,243.59 arc-45 46.29,244.29 47.73,245.73 arc-45 48.44,246.03 56.86,246.03 56.97,246.14 arc-90 58.03,246.14 58.29,245.88 67.94,245.88 arc-45 68.29,245.73 68.43,245.59 arc45 68.78,245.44 70.14,245.44 arc-45 70.85,245.15 71.46,244.54 arc-45 71.75,243.84 v71.75,242
  Bottom 0.15: IC73.39 43.19,235.1 arc45 43.89,235.39 43.96,235.46 arc-45 44.66,235.75 v45.75,235.75 | IC74.82 72.6,243.26 arc-45 72.31,242.56 v71.75,242
SDRAM_DQMH5  (via drill 0.3)
  Top 0.15: v173.75,235.75 arc45 174,236.35 174,243.59 arc-45 174.29,244.29 175.73,245.73 arc-45 176.44,246.03 184.86,246.03 184.97,246.14 arc-90 186.03,246.14 186.29,245.88 195.94,245.88 arc-45 196.29,245.73 196.43,245.59 arc45 196.78,245.44 198.14,245.44 arc-45 198.85,245.15 199.46,244.54 arc-45 199.75,243.84 v199.75,242
  Bottom 0.15: IC91.39 171.19,235.1 arc45 171.89,235.39 171.96,235.46 arc-45 172.66,235.75 v173.75,235.75 | IC92.82 200.6,243.26 arc-45 200.31,242.56 v199.75,242
SDRAM_DQMH6  (via drill 0.3)